# Altium PCB PCB-Tester-Board-V1.PcbDoc (part 1 of 7) (continued)
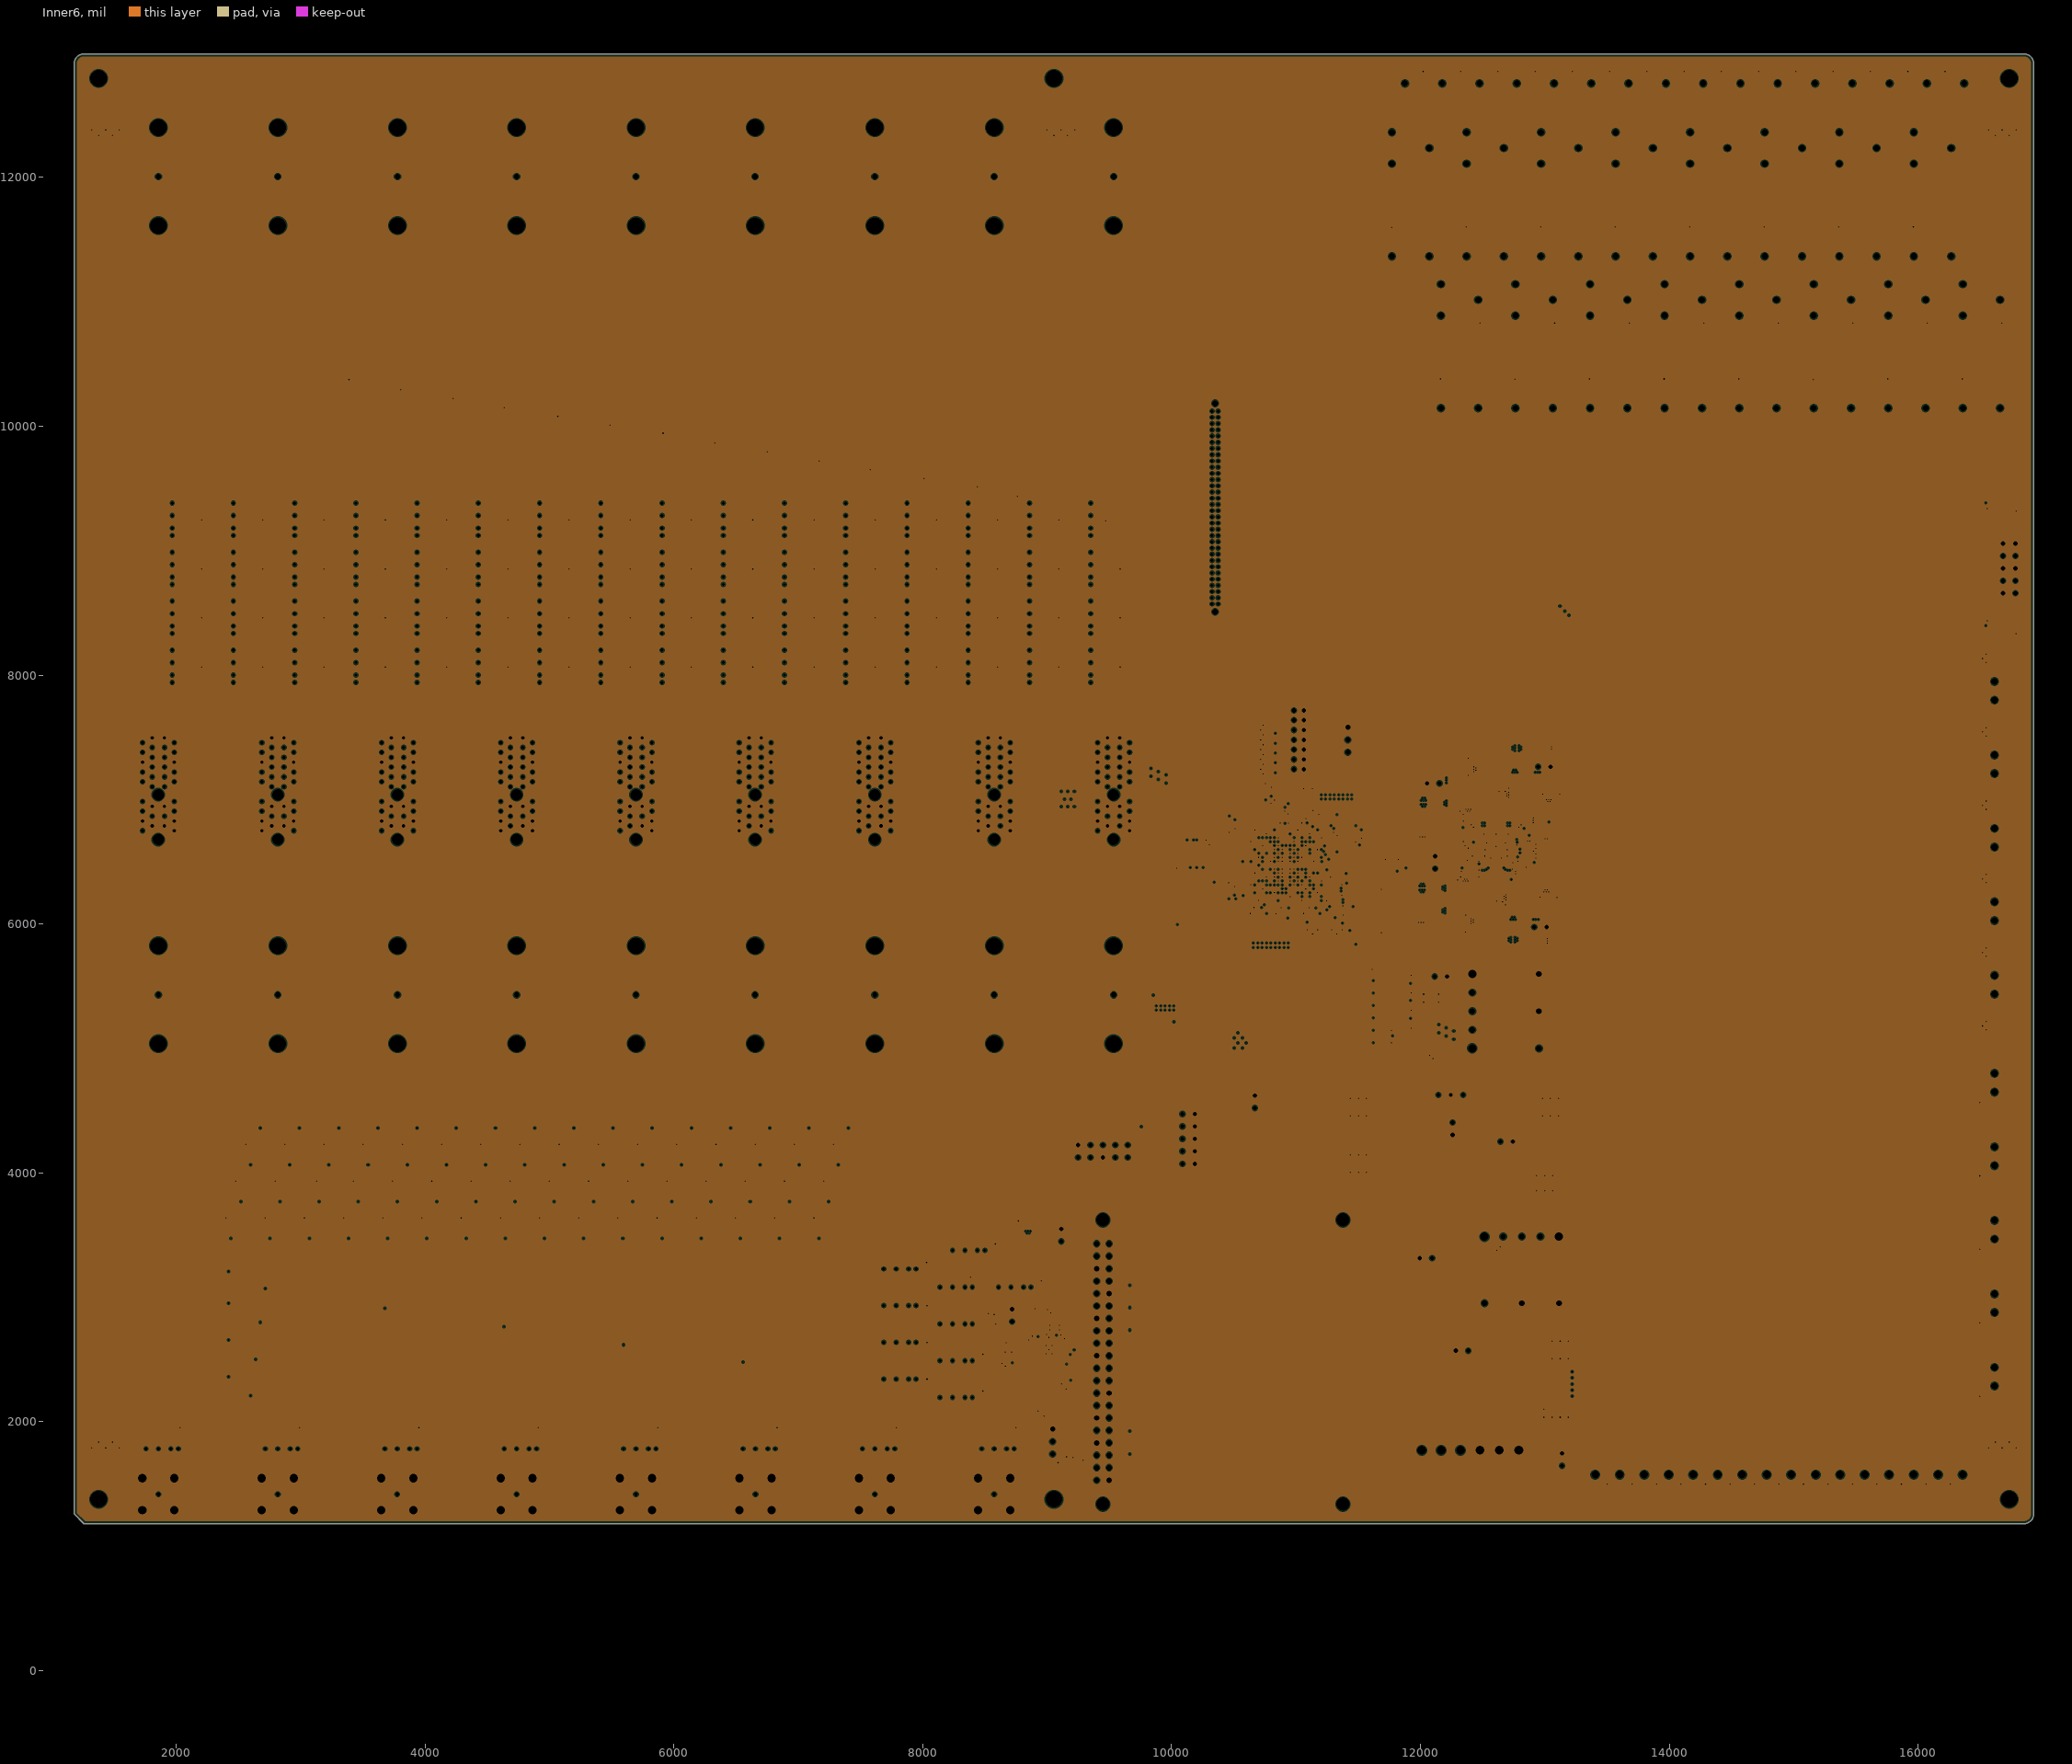
[diagram p7: Inner6, clearances drawn from the general rule]

## Layer stack, top to bottom
Top Solder: solder mask 1, SM-001, Dk 4
Top Layer: signal copper 0.689
Dielectric 2: prepreg 4.4, PP-015, Dk 4.3
Inner1: plane copper 1.378, net GND
Dielectric 6: core 8, Core-026, Dk 4.4
Inner2: signal copper 1.378
Dielectric 4: prepreg 8.6, PP-023, Dk 4.5
Inner3: signal copper 1.378
Dielectric 1: core 8, Core-026, Dk 4.4
Inner4: signal copper 1.378
Dielectric 5: prepreg 8.6, PP-023, Dk 4.5
Inner5: signal copper 1.378
Dielectric 7: core 8, Core-026, Dk 4.4
Inner6: plane copper 1.378, net GND
Dielectric 3: prepreg 4.4, PP-015, Dk 4.3
Bottom Layer: signal copper 0.689
Bottom Solder: solder mask 1, SM-001, Dk 4

## Board outline
1181.1,1259.84 1181.1,12913.39 cw(c1259.84,12913.39) 1259.84,12992.13 16850.39,12992.13 cw(c16850.39,12913.39) 16929.13,12913.39 16929.13,1259.84 cw(c16850.39,1259.84) 16850.39,1181.1 1259.84,1181.1

## Design rules (kind name [scope] priority, off if disabled: settings)
BoardOutlineClearance BoardOutlineClearance_X [HasFootprint('B6PS-VH') OR HasFootprint('691352710002') OR HasFootprint('691312710002')] p1: gap=0 ignorepadtopadclearanceinfootprint=FALSE
BoardOutlineClearance [All] p2: gap=10 ignorepadtopadclearanceinfootprint=FALSE except(0: Arc-SplitContinuation Track-SplitContinuation SMDPad-SplitContinuation THPad-SplitContinuation Via-SplitContinuation Fill-SplitContinuation Poly-SplitContinuation Region-SplitContinuation Text-SplitContinuation)
Clearance Clearance_MNT [InPadClass('MNT')] p1: gap=19.68 ignorepadtopadclearanceinfootprint=FALSE
Clearance Clearance_ABUS_out [InNetClass('ABUS') vs OnOutside] p2: gap=39.37 ignorepadtopadclearanceinfootprint=FALSE except(0: Arc-Hole Track-Hole SMDPad-Hole THPad-Hole Via-Hole Fill-Hole Poly-Hole Region-Hole Text-Hole; 31.5: Arc-THPad Track-THPad SMDPad-THPad THPad-THPad)
Clearance Clearance_ABUS [InNetClass('ABUS') vs NOT OnOutside] p3: gap=19.68 ignorepadtopadclearanceinfootprint=FALSE except(0: Arc-Hole Track-Hole SMDPad-Hole THPad-Hole Via-Hole Fill-Hole Poly-Hole Region-Hole Text-Hole; 6.69: Arc-THPad Track-THPad; 9.84: Arc-Arc Arc-Track Arc-SMDPad Arc-Via Track-Track Track-SMDPad Track-Via SMDPad-SMDPad SMDPad-Via Via-Via; 10: SMDPad-THPad SMDPad-Text THPad-THPad THPad-Via THPad-Text Via-Text Text-Text; 39.37: Arc-Text Track-Text)
Clearance [All] p4: gap=10 ignorepadtopadclearanceinfootprint=FALSE except(0: Arc-Hole Track-Hole SMDPad-Hole THPad-Hole Via-Hole Fill-Hole Poly-Hole Region-Hole Text-Hole; 5: Arc-Arc Arc-Track Arc-SMDPad Arc-Via Track-Track Track-SMDPad Track-Via; 6: Arc-THPad Track-THPad SMDPad-Via Via-Via; 7: SMDPad-SMDPad)
ComponentClearance ComponentClearance_1731721 [HasFootprint('1731721') vs HasFootprint('1731721')] p1: gap=-5 collisioncheckmode=3 verticalgap=0 showdistances=FALSE
ComponentClearance ComponentClearance_651352710002 [HasFootprint('691352710002') vs HasFootprint('691352710002')] p2: gap=-1 collisioncheckmode=3 verticalgap=-1 showdistances=FALSE
ComponentClearance ComponentClearance_691312710002 [HasFootprint('691312710002') vs HasFootprint('691312710002')] p3: gap=-1 collisioncheckmode=3 verticalgap=-1 showdistances=FALSE
ComponentClearance ComponentClearance_RPIF [HasFootprint('RPI4B Footprint') vs HasFootprint('HSM2.5-6.4-16-2') OR HasFootprint('RPI4B')] p4: gap=5 collisioncheckmode=3 verticalgap=-10 showdistances=FALSE
ComponentClearance ComponentClearance_RPI_Z [HasFootprint('RPI4B') vs HasFootprint('HSM2.5-6.4-16-2')] p5: gap=10 collisioncheckmode=3 verticalgap=-5 showdistances=FALSE
ComponentClearance [All] p6: gap=10 collisioncheckmode=3 verticalgap=10 showdistances=FALSE
DiffPairsRouting [All] p1: maxlimit=7 minlimit=7 mostfreqgap=7 toplayer_minwidth=5.5 toplayer_maxwidth=5.5 toplayer_prefwidth=5.5 midlayer2_minwidth=5.5 midlayer2_maxwidth=5.5 midlayer2_prefwidth=5.5 midlayer3_minwidth=5.5 midlayer3_maxwidth=5.5 midlayer3_prefwidth=5.5 midlayer4_minwidth=5.5 midlayer4_maxwidth=5.5 midlayer4_prefwidth=5.5 midlayer5_minwidth=5.5 midlayer5_maxwidth=5.5 midlayer5_prefwidth=5.5 bottomlayer_minwidth=5.5 bottomlayer_maxwidth=5.5 bottomlayer_prefwidth=5.5 maxuncoupledlength=500
Height [All] p1: minheight=0 maxheight=5236.22 prefheight=500
HoleSize [All] p1: absolutevalues=TRUE maxlimit=133.86 minlimit=7.87 maxpercent=80.000 minpercent=20.000
HoleToHoleClearance [All] p1: gap=9 allowstackedmicrovias=TRUE
MatchedLengths MatchedLengths_GENHS [InNetClass('GENHS_DP')] p1: tolerance=50 checknetsindiffpair=TRUE checkdiffpairvsdiffpair=FALSE checkxsignals=FALSE checkothers=FALSE
MinimumSolderMaskSliver [All] p1: minsoldermaskwidth=4
PlaneClearance [All] p1: clearance=9
PlaneConnect [All] p1: planeconnectstyle=Direct reliefexpansion=10 reliefentries=4 reliefconductorwidth=10 reliefairgap=10
PolygonConnect [All] p1: connectstyle=Direct reliefconductorwidth=10 reliefentries=4 polygonreliefangle="90 Angle" airgapwidth=10
RoomDefinition Output5 [InComponentClass('Output5')] p1: confinementstyle=ConfineIn formatcopy=TRUE lockcomponents=FALSE outline 16299.21,7677.17 17618.11,7677.17 17618.11,8267.72 16299.21,8267.72
RoomDefinition Output3 [InComponentClass('Output3')] p2: confinementstyle=ConfineIn formatcopy=TRUE lockcomponents=FALSE outline 16299.21,6496.06 17618.11,6496.06 17618.11,7086.61 16299.21,7086.61
RoomDefinition Output4 [InComponentClass('Output4')] p3: confinementstyle=ConfineIn formatcopy=TRUE lockcomponents=FALSE outline 16299.21,7086.61 17618.11,7086.61 17618.11,7677.17 16299.21,7677.17
RoomDefinition Output2 [InComponentClass('Output2')] p4: confinementstyle=ConfineIn formatcopy=TRUE lockcomponents=FALSE outline 16299.21,5905.51 17618.11,5905.51 17618.11,6496.06 16299.21,6496.06
RoomDefinition "Power Routing" [InComponentClass('Power Routing')] p5: confinementstyle=ConfineIn formatcopy=TRUE lockcomponents=FALSE outline 11622.05,330.71 16724.41,330.71 16724.41,12992.13 11622.05,12992.13
RoomDefinition Power [InComponentClass('Power')] p6: confinementstyle=ConfineIn formatcopy=TRUE lockcomponents=FALSE outline 11917.32,948.82 13074.8,948.82 13074.8,6838.58 11917.32,6838.58
RoomDefinition Controller [InComponentClass('Controller')] p7: confinementstyle=ConfineIn formatcopy=TRUE lockcomponents=FALSE outline 8940.94,244.09 11625.98,244.09 11625.98,5429.13 8940.94,5429.13
RoomDefinition Input5 [InComponentClass('Input5')] p8: confinementstyle=ConfineIn formatcopy=TRUE lockcomponents=FALSE outline 16338.58,4429.13 17618.11,4429.13 17618.11,5019.69 16338.58,5019.69
RoomDefinition Input4 [InComponentClass('Input4')] p9: confinementstyle=ConfineIn formatcopy=TRUE lockcomponents=FALSE outline 16338.58,3838.58 17618.11,3838.58 17618.11,4429.13 16338.58,4429.13
RoomDefinition Input3 [InComponentClass('Input3')] p10: confinementstyle=ConfineIn formatcopy=TRUE lockcomponents=FALSE outline 16338.58,3248.03 17618.11,3248.03 17618.11,3838.58 16338.58,3838.58
RoomDefinition Input2 [InComponentClass('Input2')] p11: confinementstyle=ConfineIn formatcopy=TRUE lockcomponents=FALSE outline 16338.58,2657.48 17618.11,2657.48 17618.11,3248.03 16338.58,3248.03
RoomDefinition PCB-Tester-Board-V1 [InComponentClass('PCB-Tester-Board-V1')] p12: confinementstyle=ConfineIn formatcopy=TRUE lockcomponents=FALSE outline 1204.72,1204.72 16905.51,1204.72 16905.51,12968.5 1204.72,12968.5
RoomDefinition X7A15T-Prog [InComponentClass('X7A15T-Prog')] p13: confinementstyle=ConfineIn formatcopy=TRUE lockcomponents=FALSE outline 10578.74,5921.26 11870.08,5921.26 11870.08,7818.9 10578.74,7818.9
RoomDefinition X7A15T-Fabric [InComponentClass('X7A15T-Fabric')] p14: confinementstyle=ConfineIn formatcopy=TRUE lockcomponents=FALSE outline 10456.69,6444.88 11511.81,6444.88 11511.81,7645.67 10456.69,7645.67
RoomDefinition X7A15T-Decoupling [InComponentClass('X7A15T-Decoupling')] p15: confinementstyle=ConfineIn formatcopy=TRUE lockcomponents=FALSE outline 10421.26,6043.31 11527.56,6043.31 11527.56,7129.92 10421.26,7129.92
RoomDefinition "Signal Routing" [InComponentClass('Signal Routing')] p16: confinementstyle=ConfineIn formatcopy=TRUE lockcomponents=FALSE outline 1858.27,2137.8 10480.32,2137.8 10480.32,10240.16 1858.27,10240.16
RoomDefinition RelayDriver [InComponentClass('RelayDriver')] p17: confinementstyle=ConfineIn formatcopy=TRUE lockcomponents=FALSE outline 16580,10340 17100,10340 17100,10565 16580,10565
RoomDefinition RE9 [InComponentClass('RE9')] p18: confinementstyle=ConfineIn formatcopy=TRUE lockcomponents=FALSE outline 9291.36,4803.15 9763.8,4803.15 9763.8,12637.8 9291.36,12637.8
RoomDefinition RE8 [InComponentClass('RE8')] p19: confinementstyle=ConfineIn formatcopy=TRUE lockcomponents=FALSE outline 8331.69,4803.15 8804.13,4803.15 8804.13,12637.8 8331.69,12637.8
RoomDefinition RE7 [InComponentClass('RE7')] p20: confinementstyle=ConfineIn formatcopy=TRUE lockcomponents=FALSE outline 7372.05,4803.15 7844.49,4803.15 7844.49,12637.8 7372.05,12637.8
RoomDefinition RE6 [InComponentClass('RE6')] p21: confinementstyle=ConfineIn formatcopy=TRUE lockcomponents=FALSE outline 6409.94,4803.15 6882.38,4803.15 6882.38,12637.8 6409.94,12637.8
RoomDefinition RE5 [InComponentClass('RE5')] p22: confinementstyle=ConfineIn formatcopy=TRUE lockcomponents=FALSE outline 5452.76,4803.15 5925.2,4803.15 5925.2,12637.8 5452.76,12637.8
RoomDefinition RE4 [InComponentClass('RE4')] p23: confinementstyle=ConfineIn formatcopy=TRUE lockcomponents=FALSE outline 4493.11,4803.15 4965.55,4803.15 4965.55,12637.8 4493.11,12637.8
RoomDefinition RE3 [InComponentClass('RE3')] p24: confinementstyle=ConfineIn formatcopy=TRUE lockcomponents=FALSE outline 3535.93,4803.15 4008.37,4803.15 4008.37,12637.8 3535.93,12637.8
RoomDefinition RE2 [InComponentClass('RE2')] p25: confinementstyle=ConfineIn formatcopy=TRUE lockcomponents=FALSE outline 2573.82,4803.15 3046.26,4803.15 3046.26,12637.8 2573.82,12637.8
RoomDefinition RE1 [InComponentClass('RE1')] p26: confinementstyle=ConfineIn formatcopy=TRUE lockcomponents=FALSE outline 1614.17,4803.15 2086.61,4803.15 2086.61,12637.8 1614.17,12637.8
RoomDefinition PSU3 [InComponentClass('PSU3')] p27: confinementstyle=ConfineIn formatcopy=TRUE lockcomponents=FALSE outline 11405.51,3783.46 13141.73,3783.46 13141.73,5775.59 11405.51,5775.59
RoomDefinition PSU2 [InComponentClass('PSU2')] p28: confinementstyle=ConfineIn formatcopy=TRUE lockcomponents=FALSE outline 9555.12,3102.36 13118.11,3102.36 13118.11,7492.13 9555.12,7492.13
RoomDefinition PSU1 [InComponentClass('PSU1')] p29: confinementstyle=ConfineIn formatcopy=TRUE lockcomponents=FALSE outline 12204.72,1889.76 13291.34,1889.76 13291.34,4240.16 12204.72,4240.16
RoomDefinition Output1 [InComponentClass('Output1')] p30: confinementstyle=ConfineIn formatcopy=TRUE lockcomponents=FALSE outline 16299.21,5314.96 17618.11,5314.96 17618.11,5905.51 16299.21,5905.51
RoomDefinition Instrument8 [InComponentClass('Instrument8')] p31: confinementstyle=ConfineIn formatcopy=TRUE lockcomponents=FALSE outline 8346.46,511.81 8799.21,511.81 8799.21,2037.4 8346.46,2037.4
RoomDefinition Instrument7 [InComponentClass('Instrument7')] p32: confinementstyle=ConfineIn formatcopy=TRUE lockcomponents=FALSE outline 7391.73,511.81 7844.49,511.81 7844.49,2037.4 7391.73,2037.4
RoomDefinition Instrument6 [InComponentClass('Instrument6')] p33: confinementstyle=ConfineIn formatcopy=TRUE lockcomponents=FALSE outline 6427.17,511.81 6879.92,511.81 6879.92,2037.4 6427.17,2037.4
RoomDefinition Instrument5 [InComponentClass('Instrument5')] p34: confinementstyle=ConfineIn formatcopy=TRUE lockcomponents=FALSE outline 5472.44,511.81 5925.2,511.81 5925.2,2037.4 5472.44,2037.4
RoomDefinition Instrument4 [InComponentClass('Instrument4')] p35: confinementstyle=ConfineIn formatcopy=TRUE lockcomponents=FALSE outline 4507.87,511.81 4960.63,511.81 4960.63,2037.4 4507.87,2037.4
RoomDefinition Instrument3 [InComponentClass('Instrument3')] p36: confinementstyle=ConfineIn formatcopy=TRUE lockcomponents=FALSE outline 3553.15,511.81 4005.91,511.81 4005.91,2037.4 3553.15,2037.4
RoomDefinition Instrument2 [InComponentClass('Instrument2')] p37: confinementstyle=ConfineIn formatcopy=TRUE lockcomponents=FALSE outline 2588.58,511.81 3041.34,511.81 3041.34,2037.4 2588.58,2037.4
RoomDefinition Instrument1 [InComponentClass('Instrument1')] p38: confinementstyle=ConfineIn formatcopy=TRUE lockcomponents=FALSE outline 1633.86,511.81 2086.61,511.81 2086.61,2037.4 1633.86,2037.4
RoomDefinition Input1 [InComponentClass('Input1')] p39: confinementstyle=ConfineIn formatcopy=TRUE lockcomponents=FALSE outline 16338.58,2066.93 17618.11,2066.93 17618.11,2657.48 16338.58,2657.48
RoomDefinition ADC [InComponentClass('ADC')] p40: confinementstyle=ConfineIn formatcopy=TRUE lockcomponents=FALSE outline 7641.73,2082.68 9185.04,2082.68 9185.04,3881.89 7641.73,3881.89
RoutingVias [All] p1: holewidth=125.98 width=27.56 viastyle="Through Hole" minholewidth=7.87 minwidth=15.75 maxholewidth=133.86 maxwidth=314.96
SilkToSolderMaskClearance [IsPad] p1: minsilkscreentomaskgap=7 clearancetoexposedcopper=TRUE
SolderMaskExpansion SolderMaskExpansion_VIA [IsVia] p1: expansion=0 istentingtop=FALSE soldermaskfromhole=TRUE
SolderMaskExpansion [All] p2: expansion=4 istentingtop=FALSE
Width [All] p1: maxlimit=150 minlimit=5 preferedwidth=6
21 further rules are at their usual default settings.

## Classes and differential pairs
pad class MNT: DR1-1 DR2-1 DR3-1 DR4-1 DR5-1 DR6-1 M1_1-0 M1_2-0 M1_3-0 M1_4-0 M1_5-0 M1_6-0 M1_7-0 M1_8-0 M1_9-0 M2_1-0 M2_2-0 M2_3-0 M2_4-0 M2_5-0 M2_6-0 M2_7-0 M2_8-0 M2_9-0 X1-0
net class ABUS: ABUS0 ABUS1 ABUS2 ABUS3 ABUS4 ABUS5 ABUS6 ABUS7 NetBNC1_1_1 NetBNC1_2_1 NetBNC1_3_1 NetBNC1_4_1 NetBNC1_5_1 NetBNC1_6_1 NetBNC1_7_1 NetBNC1_8_1 NetK2_3 NetK12_2 NetK12_3 NetK12_4 NetK13_2 NetK13_3 NetK13_4 NetK14_2 NetK14_3 NetK14_4 NetK15_2 NetK15_3 NetK15_4 NetK16_2 NetK16_3 NetK16_4 NetK17_2 NetK17_3 NetK17_4 NetK18_2 NetK18_3 NetK18_4 NetK19_2 NetK19_3 NetK19_4 NetK20_2 NetK20_3 NetK20_4 NetK21_2 NetK21_3 NetK21_4 NetK22_2 NetK22_3 NetK22_4 NetK23_2 NetK23_3 NetK23_4 NetK24_2 NetK24_3 NetK24_4 NetK25_2 NetK25_3 NetK25_4 NetK26_2 NetK26_3 NetK26_4 NetK27_2 NetK27_3 NetK27_4 NetK28_3 NetK28_4 NetK29_3 NetK29_4 NetK30_3 NetK30_4 NetK31_3 NetK31_4 NetK32_3 NetK32_4 NetK33_3 NetK33_4 NetK34_3 NetK34_4 NetK35_3 NetK35_4 NetK36_3 NetK36_4 NetK37_3 NetK37_4 NetK38_3 NetK38_4 NetK39_3 NetK39_4 NetK40_3 NetK40_4 NetK41_3 NetK41_4 NetK42_3 NetK42_4 NetK43_3 NetK43_4 NetK44_3 NetK44_4 NetK45_3 NetK45_4 NetK46_3 NetK46_4 NetK47_3 NetK47_4 NetK48_3 NetK48_4 NetK49_3 NetK49_4 NetK50_3 NetK50_4 NetK51_3 NetK51_4 NetK52_3 NetK52_4 NetK53_3 NetK53_4 NetK54_3 NetK54_4 NetK55_3 NetK55_4 NetK56_3 NetK56_4 NetK57_3 NetK57_4 NetK58_3 NetK58_4 NetK59_3 NetK59_4 NetK60_3 NetK60_4 NetK61_3 NetK61_4 NetK62_3 NetK62_4 NetK63_3 NetK63_4 NetK64_3 NetK64_4 NetK65_3 NetK65_4 NetK66_3 NetK66_4 NetK67_3 NetK67_4 NetK68_3 NetK68_4 NetK69_3 NetK69_4 NetK70_3 NetK70_4 NetK71_3 NetK71_4 NetK72_3 NetK72_4 NetK73_3 NetK73_4 NetK74_3 NetK74_4 NetK75_3 NetK75_4 NetK76_3 NetK76_4 NetK77_3 NetK77_4 NetK78_3 NetK78_4 NetK79_3 NetK79_4 NetK80_3 NetK80_4 NetK81_3 NetK81_4 NetK82_3 NetK82_4 NetK83_3 NetK83_4 NetK84_3 NetK84_4 NetK85_3 NetK85_4 NetK86_3 NetK86_4 NetK87_3 NetK87_4 NetK88_3 NetK88_4 NetK89_3 NetK89_4 NetK90_3 NetK90_4 NetK91_3 NetK91_4
net class GENHS_DP: F_HS1_15_N F_HS1_15_P F_HS2_15_N F_HS2_15_P HS1_15_N HS1_15_P HS2_15_N HS2_15_P
component class PCB-Tester-Board-V1: AOI5 AOI6 AOI7 AOI8 AOI9 AOI10 AOI11 AOI12 C71 C72 C73 C74 C75 C76 DR1 DR2 DR3 DR4 DR5 DR6 R178 R179 R180 R181 R182 R183
net class DRV[103..1]: DRV1 DRV2 DRV3 DRV4 DRV5 DRV6 DRV7 DRV8 DRV9 DRV10 DRV11 DRV12 DRV13 DRV14 DRV15 DRV16 DRV17 DRV18 DRV19 DRV20 DRV21 DRV22 DRV23 DRV24 DRV25 DRV26 DRV27 DRV28 DRV29 DRV30 DRV31 DRV32 DRV33 DRV34 DRV35 DRV36 DRV37 DRV38 DRV39 DRV40 DRV41 DRV42 DRV43 DRV44 DRV45 DRV46 DRV47 DRV48 DRV49 DRV50 DRV51 DRV52 DRV53 DRV54 DRV55 DRV56 DRV57 DRV58 DRV59 DRV60 DRV61 DRV62 DRV63 DRV64 DRV65 DRV66 DRV67 DRV68 DRV69 DRV70 DRV71 DRV72 DRV73 DRV74 DRV75 DRV76 DRV77 DRV78 DRV79 DRV80 DRV81 DRV82 DRV83 DRV84 DRV85 DRV86 DRV87 DRV88 DRV89 DRV90 DRV91 DRV92 DRV93 DRV94 DRV95 DRV96 DRV97 DRV98 DRV99 DRV100 DRV101 DRV102 DRV103
channel class RelayExtension: RE1 RE2 RE3 RE4 RE5 RE6 RE7 RE8 RE9
channel class Output: Output1 Output2 Output3 Output4 Output5
channel class Instrument: Instrument1 Instrument2 Instrument3 Instrument4 Instrument5 Instrument6 Instrument7 Instrument8
channel class Input: Input1 Input2 Input3 Input4 Input5
net class ABUS[7..0]: ABUS0 ABUS1 ABUS2 ABUS3 ABUS4 ABUS5 ABUS6 ABUS7
component class X7A15T-Prog: C37 D5 D6 D7 D8 D13 DONE PROG R44 R45 R46 R47 R119 R159 R160 R161 R162 R163 R164 R165 U6 U7 X36 X37
component class X7A15T-Fabric: C17 C36 C77 D33 D34 J3 J13 R43 R118 R169 R170 R171 R172 R173 R174 R175 R176 R184 R188 U8 U11 X35 Y1
component class X7A15T-Decoupling: C310 C311 C312 C313 C314 C315 C316 C317 C318 C430 C431 C432 C433 C434 C435 C436 C437 C438 C439 C440 C441 C442 C443 C444 C445 C446 C447 C448 C449 C450 C451 C452 C453 C454 C455 C456 C457 C458 C459 C460 C461 C462 C463 C464 C465 C466 C467 C468 C469 C470 C471 C476 C477
component class "Signal Routing": K28 K29 K30 K31 K32 K33 K34 K35 K36 K37 K38 K39 K40 K41 K42 K43 K44 K45 K46 K47 K48 K49 K50 K51 K52 K53 K54 K55 K56 K57 K58 K59 K60 K61 K62 K63 K64 K65 K66 K67 K68 K69 K70 K71 K72 K73 K74 K75 K76 K77 K78 K79 K80 K81 K82 K83 K84 K85 K86 K87 K88 K89 K90 K91 Q27 Q28 Q31 Q32 Q33 Q34 Q35 Q36 Q37 Q38 Q39 Q40 Q41 Q42 Q43 Q44 Q45 Q46 Q47 Q48 Q49 Q50 Q51 Q52 Q53 Q54 Q55 Q56 Q57 Q58 Q59 Q60 Q61 Q62 Q63 Q64 Q65 Q66 Q67 Q68 Q69 Q70 Q71 Q72 Q73 Q74 Q75 Q76 Q81 Q82 Q83 Q84 Q85 Q86 Q87 Q88 Q89 Q90 Q91 Q92 Q93 Q94 Q95 Q96 R32 R33 R48 R49 R50 R51 R52 R53 R54 R55 R56 R57 R58 R59 R60 R61 R62 R63 R64 R65 R66 R67 R68 R69 R70 R71 R72 R73 R74 R75 R76 R77 R78 R79 R80 R81 R82 R83 R84 R85 R86 R87 R88 R89 R90 R91 R92 R93 R143 R144 R145 R146 R147 R148 R149 R150 R151 R152 R153 R154 R155 R156 R157 R158 X28 X30
component class RelayDriver: AOI1 AOI2 AOI3 AOI4 C9 C10 L1 R186
component class RE9: M1_9 M2_9 X3_9
component class RE8: M1_8 M2_8 X3_8
component class RE7: M1_7 M2_7 X3_7
component class RE6: M1_6 M2_6 X3_6
component class RE5: M1_5 M2_5 X3_5
component class RE4: M1_4 M2_4 X3_4
component class RE3: M1_3 M2_3 X3_3
component class RE2: M1_2 M2_2 X3_2
component class RE1: M1_1 M2_1 X3_1
component class PSU3: A3 C14 C15 C16 C61 C62 D31 D32 F2 L7 L8 R41 R42 R142 R167 R168 TP10 TP11 TP12 TP13 U10
component class PSU2: C7 C8 C18 C19 C20 C21 C22 C23 C24 C25 C26 C27 C28 C29 C30 C31 C32 C33 C34 C35 C38 C40 C41 C42 C43 C44 C45 C46 C47 C48 C49 C50 C51 C52 C53 C54 C55 C56 C57 C58 C59 C60 C66 C67 C68 C69 D9 D10 D11 D12 J5 J6 J7 J8 J9 J10 J11 J12 L3 L4 L5 L6 Q30 Q78 Q79 Q80 Q98 R94 R95 R96 R97 R99 R101 R103 R105 R120 R121 R122 R123 R124 R125 R126 R127 R128 R129 R130 R131 R132 R133 R134 R135 R136 R137 R138 R139 R140 R141 TP6 TP7 TP8 TP9 U3
component class PSU1: A2 C11 C12 C13 C39 F1 L2 R39 R40 TP4 TP5
component class Power: J2 TP3 X2
component class "Power Routing": D14 D15 D16 D17 D18 D19 D20 D21 D22 D23 D24 D25 D26 D27 D28 D29 K12 K13 K14 K15 K16 K17 K18 K19 K20 K21 K22 K23 K24 K25 K26 K27 Q11 Q12 Q13 Q14 Q15 Q16 Q17 Q18 Q19 Q20 Q21 Q22 Q23 Q24 Q25 Q26 R16 R17 R18 R19 R20 R21 R22 R23 R24 R25 R26 R27 R28 R29 R30 R31 X4 X5 X6 X7 X8 X9 X10 X11 X12 X13 X14 X15 X16 X17 X18 X19 X20 X21 X22 X23 X24 X25 X26 X27
component class Output5: D3_5 Q29_5 R38_5 X33_5 X34_5
component class Output4: D3_4 Q29_4 R38_4 X33_4 X34_4
component class Output3: D3_3 Q29_3 R38_3 X33_3 X34_3
component class Output2: D3_2 Q29_2 R38_2 X33_2 X34_2
component class Output1: D3_1 Q29_1 R38_1 X33_1 X34_1
component class Instrument8: BNC1_8 K1_8 Q77_8 R1_8
component class Instrument7: BNC1_7 K1_7 Q77_7 R1_7
component class Instrument6: BNC1_6 K1_6 Q77_6 R1_6
component class Instrument5: BNC1_5 K1_5 Q77_5 R1_5
component class Instrument4: BNC1_4 K1_4 Q77_4 R1_4
component class Instrument3: BNC1_3 K1_3 Q77_3 R1_3
component class Instrument2: BNC1_2 K1_2 Q77_2 R1_2
component class Instrument1: BNC1_1 K1_1 Q77_1 R1_1
component class Input5: Q97_5 R116_5 R117_5 R166_5 X31_5 X32_5
component class Input4: Q97_4 R116_4 R117_4 R166_4 X31_4 X32_4
component class Input3: Q97_3 R116_3 R117_3 R166_3 X31_3 X32_3
component class Input2: Q97_2 R116_2 R117_2 R166_2 X31_2 X32_2
component class Input1: Q97_1 R116_1 R117_1 R166_1 X31_1 X32_1
component class Controller: A1 C1 J1 J4 J14 J15 J16 J17 J18 Q99 R10 R11 R34 R35 R36 R37 R98 R100 R102 R104 R106 R107 R108 R185 R187 TP1 U4 X1 Z1 Z2 Z3 Z4
component class ADC: C2 C3 C4 C5 C6 C63 C64 C65 C70 K2 K3 K4 K5 K6 K7 K8 K9 K10 K11 Q1 Q2 Q3 Q4 Q5 Q6 Q7 Q8 Q9 Q10 R2 R3 R4 R5 R6 R7 R8 R9 R12 R13 R14 R15 R109 R110 R111 R112 R113 R114 R115 R177 TP2 U1 U2 U5 U9
differential pair HS2_15: +HS2_15_P -HS2_15_N
differential pair HS1_15: +HS1_15_P -HS1_15_N
differential pair F_HS2_15: +F_HS2_15_P -F_HS2_15_N